# Altium PCB Sampler.PCBDOC (part 3 of 5)
Units mil, origin at the board's own origin, x right, y up, seen from the top; angles counter-clockwise.
Board outline 6299 x 3937 mil, 4 copper layers (Top, MP(GND), L3, Bot), stack 64.881 mil thick; 530 components, 318 nets, 1631 pads, 766 vias.
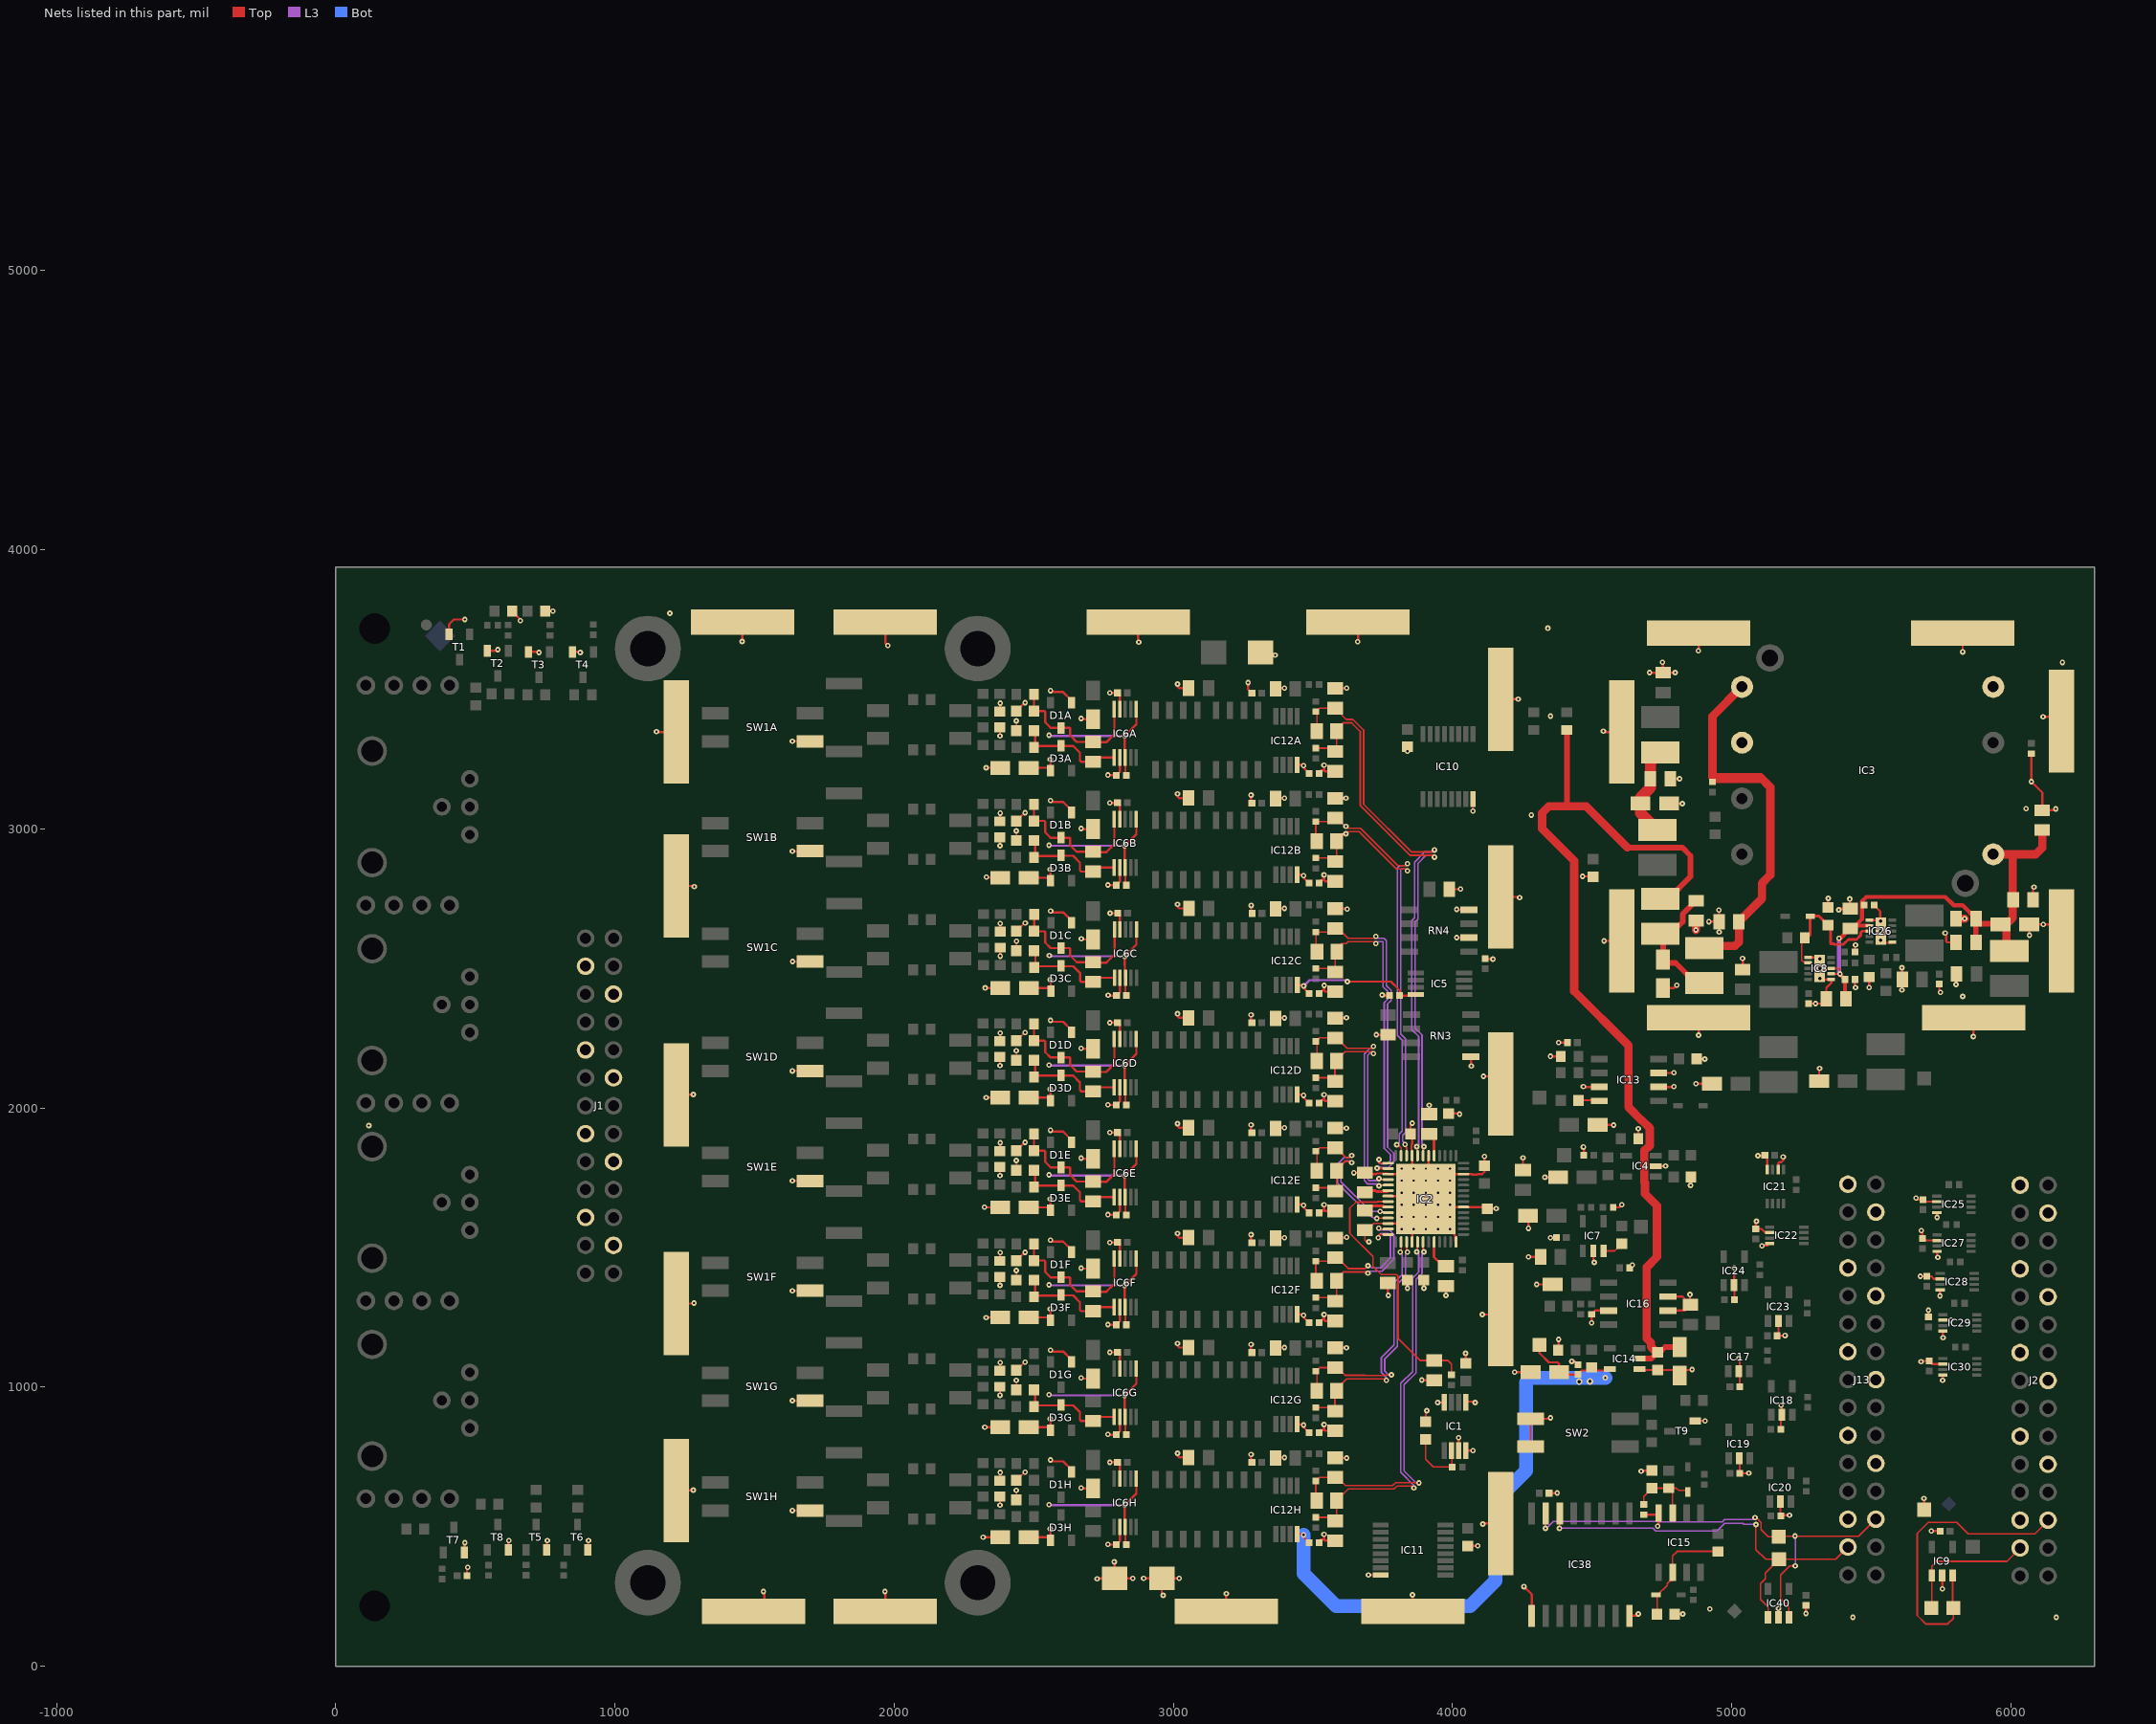
[diagram p5: the nets of this part, all layers, seen from the top]

## Via types
v1: diameter 19.68, hole 7.87, Top to Bot, tented both sides, 739 vias
v2: diameter 23.62, hole 11.81, Top to Bot, tented both sides, 15 vias
v3: diameter 23.62, hole 11.81, Top to Bot, 6 vias
v4: diameter 39.37, hole 23.62, Top to Bot, tented both sides, 6 vias

## Nets (pads, with @x,y where several pads share a name; then routed paths per layer and width w, separated by ;. In a path a pad name is that pad's centre, name@x,y a point inside that pad or via, vN(x,y) a via of type N, cw(c..) or ccw(c..) an arc to the next point about the centre after c; other vN are vias at no path point) (continued)
GND: C1.1 C2.1 C3.1 C4.1 C5.1 C6.1 C7.1 C8.1 C9.1 C10A.2 C10B.2 C10C.2 C10D.2 C10E.2 C10F.2 C10G.2 C10H.2 C11A.1 C11B.1 C11C.1 C11D.1 C11E.1 C11F.1 C11G.1 C11H.1 C12.1 C13.1 C14.1 C15.1 C16.1 C18.1 C19.1 C20.1 C21.1 C22.1 C23A.1 C23B.1 C23C.1 C23D.1 C23E.1 C23F.1 C23G.1 C23H.1 C24.1 C25A.2 C25B.2 C25C.2 C25D.2 C25E.2 C25F.2 C25G.2 C25H.2 C26.1 C27.1 C28.2 C29.1 C30.1 C31.1 C32.1 C33.1 C34.1 C35A.1 C35B.1 C35C.1 C35D.1 C35E.1 C35F.1 C35G.1 C35H.1 C36.1 C37.1 C38.1 C39.1 C40.1 C41A.1 C41B.1 C41C.1 C41D.1 C41E.1 C41F.1 C41G.1 C41H.1 C42.1 C43.1 C44.1 C45.1 C46.1 C48.1 C49.2 C50.2 C51.2 C52.1 C53.1 C54.1 C55.1 C56.2 C57.1 C58.1 C59.1 C60.2 C61.1 C62.1 C63.1 C64.1 C66.1 C67.1 C68.1 C69.1 C70A.1 C70B.1 C70C.1 C70D.1 C70E.1 C70F.1 C70G.1 C70H.1 C71A.1 C71B.1 C71C.1 C71D.1 C71E.1 C71F.1 C71G.1 C71H.1 C73A.1 C73B.1 C73C.1 C73D.1 C73E.1 C73F.1 C73G.1 C73H.1 C74A.1 C74B.1 C74C.1 C74D.1 C74E.1 C74F.1 C74G.1 C74H.1 C75.1 C76.1 C85A.1 C85B.1 C85C.1 C85D.1 C85E.1 C85F.1 C85G.1 C85H.1 C88A.1 C88B.1 C88C.1 C88D.1 C88E.1 C88F.1 C88G.1 C88H.1 C94.1 C112.1 C115.2 C117.1 C118.2 C120.1 C121.1 C122.1 C123.1 C153.1 C154.1 C156.1 C157.1 C158.1 C159.1 C160.1 C161.1 C162.1 CLIP1.1 CLIP2.1 CLIP3.1 CLIP4.1 CLIP5.1 CLIP6.1 CLIP7.1 CLIP8.1 CLIP9.1 CLIP10.1 CLIP11.1 CLIP12.1 CLIP13.1 CLIP14.1 CLIP15.1 CLIP16.1 CLIP17.1 CLIP18.1 CLIP19.1 CLIP20.1 CLIP21.1 CLIP22.1 CLIP23.1 CLIP24.1 CLIP25.1 CLIP26.1 D8.2 D9.1 IC1.3 IC1.4 IC1.5 IC1.8 IC2.3 IC2.7 IC2.12 IC2.18 IC2.26 IC2.32 IC2.38 IC2.46 IC2.49 IC2.53 IC3.3 IC3.5 IC4.2 IC6A.2 IC6A.9 IC6B.2 IC6B.9 IC6C.2 IC6C.9 IC6D.2 IC6D.9 IC6E.2 IC6E.9 IC6F.2 IC6F.9 IC6G.2 IC6G.9 IC6H.2 IC6H.9 IC7.2 IC8.1 IC8.6 IC8.11 IC9.2 IC10.8 IC11.8 IC13.3 IC13.6 IC13.7 IC14.1 IC15.4 IC16.3 IC16.6 IC16.7 IC17.2 IC18.2 IC19.2 IC20.2 IC21.2 IC21.4 IC22.2 IC22.4 IC23.2 IC24.2 IC25.2 IC25.4 IC26.1 IC26.6 IC26.11 IC27.2 IC27.4 IC28.2 IC28.4 IC29.2 IC29.4 IC30.2 IC30.4 IC38.1 IC38.8 IC40.2 J1.3 J1.6 J1.9 J1.12 J1.15 J1.18 J1.21 J1.24 J2.1 J2.4 J2.7 J2.10 J2.13 J2.16 J2.19 J2.22 J2.25 J13.1 J13.4 J13.7 J13.10 J13.13 J13.16 J13.19 J13.22 J13.25 R8.1 R21.1 R27.1 R28.1 R29.1 R35A.1 R35B.1 R35C.1 R35D.1 R35E.1 R35F.1 R35G.1 R35H.1 R38.1 R43A.1 R43B.1 R43C.1 R43D.1 R43E.1 R43F.1 R43G.1 R43H.1 R48.1 R54.1 R66.2 R67.2 R143.1 RN3.1 RN4.2 RN4.4 SW1A.3 SW1B.3 SW1C.3 SW1D.3 SW1E.3 SW1F.3 SW1G.3 SW1H.3 SW2.1 SW2.2 T1.2 T2.2 T3.2 T4.2 T5.2 T6.2 T7.2 T8.2 T9.2 TP6.1 | length 16639.1
  Top w5: v1(1635.63,557.86) SW1H.3@1698.5,557.86 ; v1(1635.63,951.57) SW1G.3@1698.5,951.57 ; v1(1635.63,1345.27) SW1F.3@1698.5,1345.27 ; v1(1635.63,1738.97) SW1E.3@1698.5,1738.96 ; v1(1635.63,2132.67) SW1D.3@1698.5,2132.67 ; v1(1635.63,2920.07) SW1B.3@1698.5,2920.07 ; v1(1635.63,3313.77) SW1A.3@1698.5,3313.77 ; v1(1636.12,2524.64) SW1C.3@1699,2524.64 ; C88H.1@2437.72,596.06 v1(2437.72,630.59) ; C88G.1@2437.72,989.76 v1(2437.72,1024.29) ; C88F.1@2437.72,1383.47 v1(2437.72,1417.99) ; C88E.1@2437.72,1777.17 v1(2437.72,1811.69) ; C88D.1@2437.72,2170.87 v1(2437.72,2205.39) ; C88B.1@2437.72,2958.27 v1(2437.72,2992.8) ; C88A.1@2437.72,3351.97 v1(2437.72,3386.5) ; C88C.1@2438.21,2562.84 v1(2438.21,2597.37) ; v1(3698.93,327.03) IC11.8@3742.31,327.03 ; v1(3700.79,1520.67) 3691.93,1520.67 3686.02,1526.57 C14.1@3686.02,1562.46 3694.35,1562.46 3718.59,1586.7 3742.42,1586.7 3743.23,1585.88 3769.33,1585.88 IC2.12@3769.49,1586.04 ; v1(4073.21,3063.59) IC10.8@4073.21,3106.98 ; C28.2@4775.59,3090.55 v1(4822.83,3090.55) ; C27.1@4779.53,3179.13 v1(4812.99,3179.13)
  Top w8: T1.2@405.51,3696.85 405.51,3732.28 423.23,3750 v1(462.6,3750) ; T7.2@460.63,407.48 460.63,440.95 v1(462.6,442.91) ; C37.1@470.47,324.8 470.47,352.36 v1(472.44,354.33) ; T2.2@543.31,3637.8 576.77,3637.8 v1(580.71,3641.73) ; T8.2@618.11,417.32 618.11,448.82 v1(620.08,450.79) ; R67.2@631.89,3779.53 661.16,3750.26 v1(661.16,3745.29) ; T3.2@690.94,3633.86 726.38,3633.86 v1(728.35,3631.89) ; R66.2@750,3779.53 v1(777.56,3779.53) ; T5.2@755.91,417.32 755.91,448.82 v1(757.87,450.79) ; T4.2@848.42,3633.86 874.02,3633.86 v1(875.98,3631.89) ; T6.2@903.54,417.32 903.54,448.82 v1(905.51,450.79) ; v1(1149,3348) 1150.54,3346.46 CLIP6.1@1220.47,3346.46 ; CLIP7.1@1220.47,629.92 1279.53,629.92 v1(1280.51,630.91) ; CLIP13.1@1220.47,1299.21 1282.48,1299.21 1283.46,1300.2 v1(1283.46,1301.18) ; CLIP14.1@1220.47,2047.25 1280.51,2047.25 1281.5,2048.23 v1(1280.51,2048.23) ; CLIP15.1@1220.47,2795.28 1282.48,2795.28 v1(1284.45,2793.31) ; v1(1455.71,3671.26) 1455.71,3672.8 1452.76,3675.76 1456.69,3679.69 CLIP26.1@1456.69,3740.16 ; v1(1532,268) 1535.43,264.57 CLIP21.1@1535.43,196.85 ; v1(1967,268) 1968.5,266.5 CLIP25.1@1968.5,196.85 ; CLIP16.1@1968.5,3740.16 1968.5,3665.5 v1(1977,3657) ; v1(2318.9,462.6) C11H.1@2379.92,462.6 ; v1(2323.82,1644.69) 2324.8,1643.7 C11E.1@2379.92,1643.7 ; v1(2324.8,856.3) C11G.1@2379.92,856.3 ; v1(2325.79,2430.12) 2326.53,2429.38 C11C.1@2380.41,2429.38 ; v1(2329.72,1249.02) 2330.71,1250 C11F.1@2379.92,1250 ; v1(2329.72,2037.4) C11D.1@2379.92,2037.4 ; v1(2329.72,3218.5) C11A.1@2379.92,3218.5 ; v1(2330.71,2826.77) 2332.68,2824.8 C11B.1@2379.92,2824.8 ; v1(2379.21,577.17) R43H.1@2379.21,607.56 ; R35H.1@2379.21,664.57 v1@2379.21,694.49 ; v1(2379.21,970.87) R43G.1@2379.21,1001.26 ; R35G.1@2379.21,1058.27 v1@2379.21,1088.19 ; v1(2379.21,1364.57) R43F.1@2379.21,1394.96 ; R35F.1@2379.21,1451.97 v1@2379.21,1481.89 ; v1(2379.21,1758.27) R43E.1@2379.21,1788.66 ; R35E.1@2379.21,1845.67 v1@2379.21,1875.59 ; v1(2379.21,2151.97) R43D.1@2379.21,2182.36 ; R35D.1@2379.21,2239.37 v1@2379.21,2269.29 ; v1(2379.21,2939.37) R43B.1@2379.21,2969.76 ; R35B.1@2379.21,3026.77 v1@2379.21,3056.7 ; v1(2379.21,3333.07) R43A.1@2379.21,3363.47 ; R35A.1@2379.21,3420.47 v1@2379.21,3450.4 ; v1(2379.71,2543.95) R43C.1@2379.71,2574.34 ; R35C.1@2379.71,2631.35 v1@2379.71,2661.27 ; C85H.1@2437.72,666.06 v1@2467.24,695.59 ; C85G.1@2437.72,1059.76 v1@2467.24,1089.29 ; C85F.1@2437.72,1453.47 v1@2467.24,1482.99 ; C85E.1@2437.72,1847.17 v1@2467.24,1876.69 ; C85D.1@2437.72,2240.87 v1@2467.24,2270.39 ; C85B.1@2437.72,3028.27 v1@2467.24,3057.79 ; C85A.1@2437.72,3421.97 v1@2467.24,3451.5 ; C85C.1@2438.21,2632.84 v1@2467.74,2662.37 ; v1(2670,639.09) 2672.18,636.91 C10H.2@2712,636.91 ; v1(2670,1032.8) 2672.18,1030.61 C10G.2@2712,1030.61 ; v1(2670,1426.5) 2672.18,1424.31 C10F.2@2712,1424.31 ; v1(2670,1820.2) 2672.18,1818.01 C10E.2@2712,1818.01 ; v1(2670,2213.9) 2672.18,2211.72 C10D.2@2712,2211.72 ; v1(2670,3001.3) 2672.18,2999.12 C10B.2@2712,2999.12 ; v1(2670,3395) 2672.18,3392.82 C10A.2@2712,3392.82 ; v1(2670.49,2605.87) 2672.68,2603.69 C10C.2@2712.49,2603.69 ; v1(2765.94,436.76) 2766.94,435.76 C41H.1@2796.11,435.76 2808.32,447.96 IC6H.2@2808.32,499.48 ; v1(2765.94,830.46) 2766.94,829.46 C41G.1@2796.11,829.46 2808.32,841.66 IC6G.2@2808.32,893.18 ; v1(2765.94,1224.16) 2766.94,1223.16 C41F.1@2796.11,1223.16 2808.32,1235.37 IC6F.2@2808.32,1286.88 ; v1(2765.94,1617.86) 2766.94,1616.86 C41E.1@2796.11,1616.86 2808.32,1629.07 IC6E.2@2808.32,1680.58 ; v1(2765.94,2011.56) 2766.94,2010.56 C41D.1@2796.11,2010.56 2808.32,2022.77 IC6D.2@2808.32,2074.28 ; v1(2765.94,2798.96) 2766.94,2797.96 C41B.1@2796.11,2797.96 2808.32,2810.17 IC6B.2@2808.32,2861.69 ; v1(2765.94,3192.66) 2766.94,3191.66 C41A.1@2796.11,3191.66 2808.32,3203.87 IC6A.2@2808.32,3255.39 ; v1(2766.44,2403.54) 2767.44,2402.54 C41C.1@2796.6,2402.54 2808.81,2414.74 IC6C.2@2808.81,2466.26 ; v1(2772.94,730.76) 2773.22,731.03 C35H.1@2800.05,731.03 2808.32,722.76 IC6H.9@2808.32,672.71 ; v1(2772.94,1124.46) 2773.22,1124.73 C35G.1@2800.05,1124.73 2808.32,1116.46 IC6G.9@2808.32,1066.41 ; v1(2772.94,1518.16) 2773.22,1518.43 C35F.1@2800.05,1518.43 2808.32,1510.16 IC6F.9@2808.32,1460.11 ; v1(2772.94,1911.86) 2773.22,1912.13 C35E.1@2800.05,1912.13 2808.32,1903.87 IC6E.9@2808.32,1853.81 ; v1(2772.94,2305.56) 2773.22,2305.84 C35D.1@2800.05,2305.83 2808.32,2297.57 IC6D.9@2808.32,2247.51 ; v1(2772.94,3092.96) 2773.22,3093.24 C35B.1@2800.05,3093.24 2808.32,3084.97 IC6B.9@2808.32,3034.92 ; v1(2772.94,3486.66) 2773.22,3486.94 C35A.1@2800.05,3486.94 2808.32,3478.67 IC6A.9@2808.32,3428.61 ; v1(2773.44,2697.54) 2773.71,2697.81 C35C.1@2800.54,2697.81 2808.81,2689.54 IC6C.9@2808.81,2639.49 ; CLIP17.1@2874.01,3740.16 2874.01,3670.99 v1(2876,3669) ; v1(2893.7,314.96) D9.1@2958.66,314.96 ; v1(2963.39,254.18) 2958.66,258.91 D9.1@2958.66,314.96 ; v1(3014.76,762.8) 3014.76,753.94 3020.67,748.03 C73H.1@3055.12,748.03 ; v1(3014.76,1156.5) 3014.76,1147.64 3020.67,1141.73 C73G.1@3055.12,1141.73 ; v1(3014.76,1550.2) 3014.76,1541.34 3020.67,1535.43 C73F.1@3055.12,1535.43 ; v1(3014.76,1943.9) 3014.76,1935.04 3020.67,1929.13 C73E.1@3055.12,1929.13 ; v1(3014.76,2337.6) 3014.76,2328.74 3020.67,2322.83 C73D.1@3055.12,2322.83 ; v1(3014.76,3125) 3014.76,3116.14 3020.67,3110.24 C73B.1@3055.12,3110.24 ; v1(3014.76,3518.7) 3014.76,3509.84 3020.67,3503.94 C73A.1@3055.12,3503.94 ; v1(3015.26,2729.58) 3015.26,2720.72 3021.16,2714.81 C73C.1@3055.61,2714.81 ; v1(3020.67,314.96) D9.1@2958.66,314.96 ; CLIP24.1@3188.97,196.85 3188.97,258.86 v1(3189.96,259.84) ; v1(3267.71,3523.61) 3267.71,3500.01 C70A.1@3281.5,3486.22 ; v1(3278.54,758.86) 3278.54,733.27 C70H.1@3281.5,730.31 ; v1(3278.54,1152.56) 3278.54,1126.97 C70G.1@3281.5,1124.02 ; v1(3278.54,1546.26) 3278.54,1520.67 C70F.1@3281.5,1517.72 ; v1(3278.54,1939.96) 3278.54,1914.37 C70E.1@3281.5,1911.42 ; v1(3278.54,2333.66) 3278.54,2308.07 C70D.1@3281.5,2305.12 ; v1(3278.54,3121.06) 3278.54,3095.47 C70B.1@3281.5,3092.52 ; v1(3279.04,2725.64) 3279.04,2700.05 C70C.1@3281.99,2697.1 ; D8.2@3303.15,3622.05 v1(3364.91,3622.05) ; C74H.1@3366.14,746.06 3368.11,748.03 v1(3397.64,748.03) ; C74G.1@3366.14,1139.76 3368.11,1141.73 v1(3397.64,1141.73) ; C74F.1@3366.14,1533.46 3368.11,1535.43 v1(3397.64,1535.43) ; C74E.1@3366.14,1927.17 3368.11,1929.13 v1(3397.64,1929.13) ; C74D.1@3366.14,2320.87 3368.11,2322.83 v1(3397.64,2322.83) ; C74B.1@3366.14,3108.27 3368.11,3110.24 v1(3397.64,3110.24) ; C74A.1@3366.14,3501.97 3368.11,3503.94 v1(3397.64,3503.94) ; C74C.1@3366.64,2712.84 3368.6,2714.81 v1(3398.13,2714.81) ; C71H.1@3521.65,442.91 3524.61,445.87 3524.61,450.79 3527.61,453.79 3539.73,453.79 ; C71G.1@3521.65,836.61 3525.59,840.55 3525.59,846.46 3538.7,846.46 3539.73,847.49 ; C71F.1@3521.65,1230.31 3536.13,1244.79 3539.73,1241.19 ; C71E.1@3521.65,1624.02 3528.86,1624.02 3539.73,1634.89 ; C71D.1@3521.65,2017.72 3530.51,2026.57 3530.51,2028.54 3530.56,2028.59 3539.73,2028.59 ; C71B.1@3521.65,2805.12 3529.53,2812.99 3529.53,2816.93 3538.8,2816.93 3539.73,2815.99 ; C71A.1@3521.65,3198.82 3528.54,3205.71 3528.54,3208.66 3529.57,3209.69 3539.73,3209.69 ; C71C.1@3522.15,2409.69 3533.02,2420.57 3540.23,2420.57 ; v1(3539.73,472.44) 3539.73,453.79 ; v1(3539.73,866.14) 3539.73,847.49 ; v1(3539.73,1259.84) 3539.73,1241.19 ; v1(3539.73,1653.54) 3539.73,1634.89 ; v1(3539.73,2047.24) 3539.73,2028.59 ; v1(3539.73,2834.65) 3539.73,2815.99 ; v1(3539.73,3228.35) 3539.73,3209.69 ; v1(3540.23,2439.22) 3540.23,2420.57 ; C23H.1@3579.1,449.85 3543.67,449.85 3539.73,453.79 ; C25H.2@3579.1,747.09 3620.03,747.09 v1(3621.06,746.06) ; C23G.1@3579.1,843.55 3543.67,843.55 3539.73,847.49 ; C25G.2@3579.1,1140.8 3620.03,1140.8 v1(3620.08,1140.75) ; C23F.1@3579.1,1237.25 3543.67,1237.25 3539.73,1241.19 ; C25F.2@3579.1,1534.5 3619.14,1534.5 v1(3621.06,1536.42) ; C23E.1@3579.1,1630.95 3543.67,1630.95 3539.73,1634.89 ; C25E.2@3579.1,1928.2 3619.05,1928.2 v1(3620.08,1927.17) ; C23D.1@3579.1,2024.65 3543.67,2024.65 3539.73,2028.59 ; C25D.2@3579.1,2321.9 3618.16,2321.9 v1(3620.08,2323.82) ; C23B.1@3579.1,2812.06 3543.67,2812.06 3539.73,2815.99 ; C25B.2@3579.1,3109.3 3617.17,3109.3 v1(3618.11,3110.24) ; C23A.1@3579.1,3205.76 3543.67,3205.76 3539.73,3209.69 ; C25A.2@3579.1,3503 3620.13,3503 v1(3621.06,3503.94) ; C23C.1@3579.6,2416.63 3544.16,2416.63 3540.23,2420.57 ; C25C.2@3579.6,2713.87 3620.77,2713.87 v1(3622.05,2712.6) ; v1(3646.65,1767.72) 3647.26,1768.32 C15.1@3686.02,1768.32 3691.14,1763.2 3726.26,1763.2 3728.42,1765.36 3767.33,1765.36 IC2.3@3769.49,1763.2 3815.75,1763.2 IC2.53@3894.49,1684.46 ; v1(3660.43,3670.28) 3661.42,3671.26 CLIP18.1@3661.42,3740.16 ; v1(3727.36,2262.8) 3728.35,2261.81 C76.1@3769.69,2261.81 ; v1(3748.03,2404.53) 3750,2402.56 C22.1@3774.61,2402.56 ; C6.1@3768.17,1373.12 3768.17,1330.26 v1(3769.69,1328.74) ; IC2.12@3769.49,1586.04 3815.75,1586.04 IC2.53@3855.12,1625.41 ; IC2.7@3769.49,1684.46 IC2.53@3894.49,1684.46 ; C94.1@3835.23,3297.4 C94.1@3838.57,3294.05 ; v1(3838.17,1354.53) C54.1@3838.17,1384.06 ; v1(3838.57,3277.55) C94.1@3838.57,3294.05 ; C94.1@3839.08,3293.55 C94.1@3838.57,3294.05 ; IC2.18@3855.12,1520.09 IC2.53@3855.12,1625.41 ; IC2.53@3855.12,1723.83 IC2.49@3855.12,1829.15 3852.96,1831.31 3852.96,1869.03 3855.12,1871.18 3855.12,1901.77 C5.1@3849.41,1907.48 3849.41,1939.96 v1(3855.31,1945.87) ; v1(3856.3,255.91) 3858.27,253.94 CLIP22.1@3858.27,196.85 ; v1(3889.76,1025.59) 3890.87,1024.48 C12.1@3934.24,1024.48 ; C3.1@3897.17,1384.06 3897.17,1355 v1(3897.64,1354.53) ; C1.1@3904.24,876.41 3904.24,912.11 v1(3907.48,915.35) ; IC2.53@3914.17,1684.46 IC2.46@3914.17,1829.15 ; C16.1@3916.17,1977.98 v1(3916.17,2009.48) ; v1(3946.85,944.88) 3968.55,944.88 IC1.8@3971.96,948.3 ; v1(3976.38,1328.74) C13.1@3976.38,1362.2 ; C4.1@3986.22,1980.31 4023.62,1980.31 v1(4025.59,1978.35) ; C75.1@3988.19,2783.46 4026.57,2783.46 4027.56,2784.45 v1(4028.54,2784.45) ; IC2.26@4012.6,1520.09 4009.5,1523.19 4009.5,1541.68 3904.33,1646.85 v1(3904.33,1652.97) IC2.53@3904.33,1674.62 ; v1(4014.76,2610.24) 4015.16,2609.84 RN4.2@4059.06,2609.84 ; v1(4014.76,2711.61) 4016.54,2709.84 RN4.4@4059.06,2709.84 ; IC1.3@4021.65,772.64 v1(4021.65,818.9) ; v1(4046.26,1121.06) 4047.24,1122.04 C2.1@4047.24,1085.41 ; IC1.4@4047.24,772.64 v1(4072.83,772.64) ; IC1.5@4048.73,948.3 4077.8,948.3 v1(4081.21,944.88) ; C57.1@4055.12,431.1 v1(4090.55,431.1) ; RN3.1@4065.94,2183.86 4065.94,2151.57 v1(4066.93,2150.59) ; v1(4106.3,1259.84) CLIP11.1@4173.23,1259.84 ; v1(4108.27,509.84) 4110.24,511.81 CLIP23.1@4173.23,511.81 ; v1(4111.22,2113.19) 4146.66,2113.19 CLIP20.1@4173.23,2086.62 ; v1(4114.17,1826.77) C7.1@4114.17,1793.31 4114.17,1771.65 4105.72,1763.2 4089.49,1763.2 4087.33,1761.05 4071.72,1761.05 4069.57,1763.2 IC2.38@4039.17,1763.2 3992.91,1763.2 IC2.53@3904.33,1674.62 ; C20.1@4117.13,2534.45 4143.7,2534.45 v1(4144.69,2533.46) ; v1(4156.5,1639.76) 4155.51,1638.78 C8.1@4124.02,1638.78 4117.7,1645.09 IC2.32@4039.17,1645.09 3933.86,1645.09 IC2.53@3904.33,1674.62 ; CLIP12.1@4173.23,2755.91 4238.19,2755.91 v1(4240.16,2753.94) ; CLIP19.1@4173.23,3464.57 v1(4235.24,3464.57) ; v1@4222.44,1053.15 C52.1@4279.53,1053.15 ; C9.1@4251.97,1777.56 v1(4251.97,1820.87) ; v1(4255.91,285.43) 4283.66,257.68 IC38.1@4283.66,181.1 ; C56.2@4269.68,1614.17 4271.65,1612.2 v1(4271.65,1568.9) ; v1(4271.65,1466.54) C53.1@4314.96,1466.54 ; SW2.2@4279.53,786.61 SW2.1@4279.53,886.61 4347.24,886.61 v1(4350.39,889.76) ; v1(4301.18,1368.11) C115.2@4358.27,1368.11 ; v1(4330.71,1751.97) C118.2@4377.95,1751.97 ; C153.1@4345.47,620.08 4374.02,620.08 v1(4375,621.06) ; v1(4350.39,1535.43) C55.1@4372.05,1535.43 ; v1(4350.39,2185.04) R143.1@4387.8,2185.04 ; R38.1@4377.95,1131.89 4379.92,1133.86 v1(4379.92,1171.26) ; v1(4379.92,2234.25) C30.1@4411.42,2234.25 ; v1(4427.16,1092.52) 4437.01,1092.52 C46.1@4448.82,1080.71 ; v1(4465.55,2829.72) 4503.94,2829.72 C29.1@4502.95,2828.74 ; v1(4468.5,1860.24) 4470.47,1858.27 C45.1@4470.47,1830.71 ; v1(4468.5,2076.77) 4469.9,2075.37 IC13.3@4525.55,2075.37 ; v1(4498.03,1230.31) R29.1@4498.03,1261.02 4511.22,1274.21 IC16.3@4559.06,1274.21 ; IC7.2@4503.96,1488.16 4503.96,1450.77 v1(4507.87,1446.85) ; C51.2@4519.69,1938.98 v1(4576.77,1938.98) ; v1(4540.35,3349.41) 4543.31,3346.46 CLIP9.1@4606.3,3346.46 ; v1@4544.29,2596.46 v1(4542.32,2598.43) CLIP10.1@4606.3,2598.43 ; R54.1@4575.59,1643.7 4596.46,1643.7 v1(4606.3,1653.54) ; IC38.8@4633.66,181.1 4659.45,181.1 v1(4665.35,187.01) ; C62.1@4633.86,1427.17 4643.77,1437.08 v1(4643.93,1437.08) ; R27.1@4665.35,1889.76 v1(4665.35,1926.18) ; IC14.1@4669.29,1064.96 4673.23,1061.02 C44.1@4734.25,1061.02 4856.3,1061.02 v1(4858.27,1062.99) ; v1(4675.2,698.82) 4677.17,700.79 C68.1@4714.57,700.79 ; R48.1@4685.04,542.52 4731.3,542.52 IC15.4@4737.99,549.21 4737.99,505.71 v1(4734.25,501.97) ; v1(4705.71,3560.04) 4706.69,3559.06 C26.1@4753.94,3559.06 ; IC4.2@4728.35,1791.34 4761.81,1791.34 v1(4762.8,1792.32) ; IC13.6@4738.15,2075.37 4791.91,2075.37 v1(4793.31,2076.77) ; IC13.7@4738.15,2125.37 4792.7,2125.37 v1(4793.31,2125.98) ; v1(4751.97,3596.46) 4753.94,3594.49 C26.1@4753.94,3559.06 ; C18.1@4753.94,2429.13 4792.32,2429.13 v1(4803.15,2439.96) ; IC16.6@4771.65,1274.21 4831.3,1274.21 C61.1@4852.36,1295.28 C61.1@4847.44,1300.2 ; IC16.7@4771.65,1324.21 4823.43,1324.21 C61.1@4847.44,1300.2 ; C66.1@4795.28,187.01 v1(4824.8,187.01) ; v1(4797.24,3560.04) 4796.26,3559.06 C26.1@4753.94,3559.06 ; v1(4850.39,1331.69) 4850.39,1303.15 C61.1@4847.44,1300.2 ; v1(4852.36,1722.44) 4854.33,1724.41 C117.1@4854.33,1751.97 ; T9.2@4869.48,879.41 4904.06,879.41 v1(4904.53,878.94) ; v1(4872.05,2086.61) C60.2@4929.13,2086.61 ; C112.1@4874.02,2175.2 v1(4903.54,2175.2) ; v1(4879.92,3637.8) 4881.89,3639.76 CLIP1.1@4881.89,3700.79 ; v1(4880.91,2260.83) 4881.89,2261.81 CLIP2.1@4881.89,2322.83 ; v1(4918.31,2667.32) C40.1@4954.72,2667.32 ; v1(4953.74,2708.66) 4954.72,2707.68 C40.1@4954.72,2667.32 ; v1(4954.72,2629.92) C40.1@4954.72,2667.32 ; v1(5008.43,1427.17) IC24.2@5008.43,1365.2 5009.72,1363.92 C154.1@5009.72,1313 ; v1(5025.43,1102.36) 5028.72,1099.08 C159.1@5028.72,1001 ; IC19.2@5026.43,744.6 5028.72,742.32 C157.1@5028.72,691 5060.09,691 v1(5061.02,691.93) ; v1(5038.39,2535.43) 5039.37,2534.45 C59.1@5039.37,2496.06 ; v1(5088.58,1594.49) 5086,1591.91 C160.1@5086,1566.72 5106.51,1566.72 5119.6,1553.63 IC22.2@5135.7,1553.63 ; v1(5093.5,1828.74) 5116.02,1828.74 C161.1@5118.28,1831 5126.72,1822.56 IC21.4@5126.72,1779.7 ; v1(5108.14,1505.91) 5109.75,1507.52 5128.95,1507.52 IC22.4@5135.7,1514.26 ; IC21.2@5166.09,1779.7 5166.09,1800.65 5170.87,1805.43 5176.49,1805.43 5185.04,1813.98 5185.04,1823.82 v1(5184.06,1824.8) ; IC40.2@5167.32,175.2 v1(5167.32,206.69) ; IC23.2@5167.43,1237.28 5167.43,1188.72 C67.1@5162.72,1184 5189.91,1184 v1(5190.94,1185.04) ; IC20.2@5174.43,590.17 5174.43,540.28 C156.1@5175.72,539 5178.06,541.34 v1(5206.69,541.34) ; C158.1@5175.72,849 5175.72,896.85 IC18.2@5179.43,900.57 5179.43,932.77 v1(5177.17,935.04) ; v1(5265.75,188.98) C162.1@5265.75,218.5 ; IC8.6@5273.62,2539.37 5295.28,2539.37 5314.96,2519.69 v3(5314.96,2500) 5314.96,2477.36 5334.65,2457.68 5337.6,2460.63 IC8.1@5356.3,2460.63 5356.3,2447.83 5338.58,2430.12 C64.1@5338.58,2391.73 5331.69,2384.84 5331.69,2374.02 v1(5300.2,2374.02) C58.1@5275.59,2374.02 ; C50.2@5312.99,2096.46 5312.99,2139.76 v1(5314.96,2141.73) ; C69.1@5344.49,2718.5 5344.49,2750 v1(5345.47,2750.98) ; v1(5383.36,2709.46) 5387.91,2714 C123.1@5423.94,2714 5423.94,2747.62 v1(5422.73,2748.83) ; C63.1@5440.94,2460.63 5440.94,2433.07 v1(5442.91,2431.1) ; R28.1@5441.73,2559.06 5441.73,2582.48 v1(5442.91,2583.66) ; v1(5492.13,2431.1) R21.1@5492.13,2468.5 ; IC26.1@5492.19,2673.02 IC26.11@5531.5,2673.02 ; C122.1@5509.84,2726.38 5531.5,2704.72 IC26.11@5531.5,2673.02 ; v3(5533.53,2601.19) 5543.37,2591.35 5571.93,2591.35 IC26.6@5574.87,2594.28 ; v3(5533.53,2670.09) v3(5533.53,2633.65) 5531.5,2635.68 IC26.11@5531.5,2673.02 ; v1(5609.74,2423.17) 5610.51,2423.93 C121.1@5610.51,2460.57 5610.51,2502 v1(5609.74,2502.76) ; v1(5659.83,1677.69) 5665.65,1671.86 C33.1@5685.06,1671.86 5692.4,1664.52 IC25.2@5734.87,1664.52 ; v1(5675.11,1396.96) C24.1@5698.71,1396.96 5714.48,1396.96 5723.64,1387.8 IC28.2@5746.06,1387.8 ; v1(5678.15,1091.54) 5680.43,1093.82 C31.1@5707.56,1093.82 5718.7,1082.68 IC30.2@5755.91,1082.68 ; v1(5679.13,1560.62) 5682.69,1557.07 C38.1@5682.69,1531.95 5689.04,1525.59 IC27.2@5735.04,1525.59 ; v1(5687.99,601.38) 5688.98,600.39 TP6.1@5688.98,561.02 ; C21.1@5704.56,1250.89 5704.56,1275.42 v1(5704.72,1275.59) ; v1(5714.57,484.25) C43.1@5746.06,484.25 ; IC25.4@5734.87,1625.15 5734.87,1608.64 v1(5735.24,1608.27) ; IC27.4@5735.04,1486.22 5735.04,1467.72 v1(5738.19,1464.57) ; C120.1@5742.94,2443.85 5742.94,2418.77 v1(5747.54,2414.18) ; v1(5746.06,1326.77) IC28.4@5746.06,1348.43 ; v1(5753.94,277.56) IC9.2@5753.94,324.8 ; v1(5754.92,1024.61) 5755.91,1025.59 IC30.4@5755.91,1043.31 ; IC29.4@5755.91,1200.79 5755.91,1178.15 v1(5756.89,1177.17) ; IC29.2@5755.91,1240.16 v1(5785.43,1240.16) ; v1(5764,2627.11) 5767.84,2623.27 5767.84,2597.17 5772.01,2593 C39.1@5803.5,2593 ; v1(5803.26,2442.6) 5805.5,2444.84 C48.1@5805.5,2480 ; v1(5826.77,3633.86) CLIP8.1@5826.77,3700.79 ; v1(5865.16,2255.91) 5866.14,2256.89 CLIP3.1@5866.14,2322.83 ; v1(6065.94,2619.09) 6064.96,2620.08 C49.2@6064.96,2657.48 6163.63,2657.48 6181.1,2640.01 CLIP4.1@6181.1,2598.43 ; R8.1@6072.83,3268.9 v1(6072.83,3169.28) 6112.2,3129.91 C32.1@6112.2,3066.93 6164.82,3066.93 v1(6160.64,3071.11) ; C34.1@6078.74,2746.06 6078.74,2787.14 v1(6082.68,2791.08) ; v1(6115.16,3401.57) 6165.36,3401.57 CLIP5.1@6181.1,3385.83 ; IC2.53@3855.12,1625.41 IC2.53@3904.33,1674.62 ; IC2.53@3894.49,1684.46 IC2.53@3904.33,1674.62